# Altium PCB AVALON2_21b.PcbDoc (part 3 of 7)
Units mil, origin at the board's own origin, x right, y up, seen from the top; angles counter-clockwise.
Board outline 5250 x 3000 mil, 4 copper layers (Top Layer, Mid-Layer 1, Mid-Layer 2, Bottom Layer); 460 components, 80 nets, 2011 pads, 1492 vias.
Unrouted connection lines stored in the file: 78.
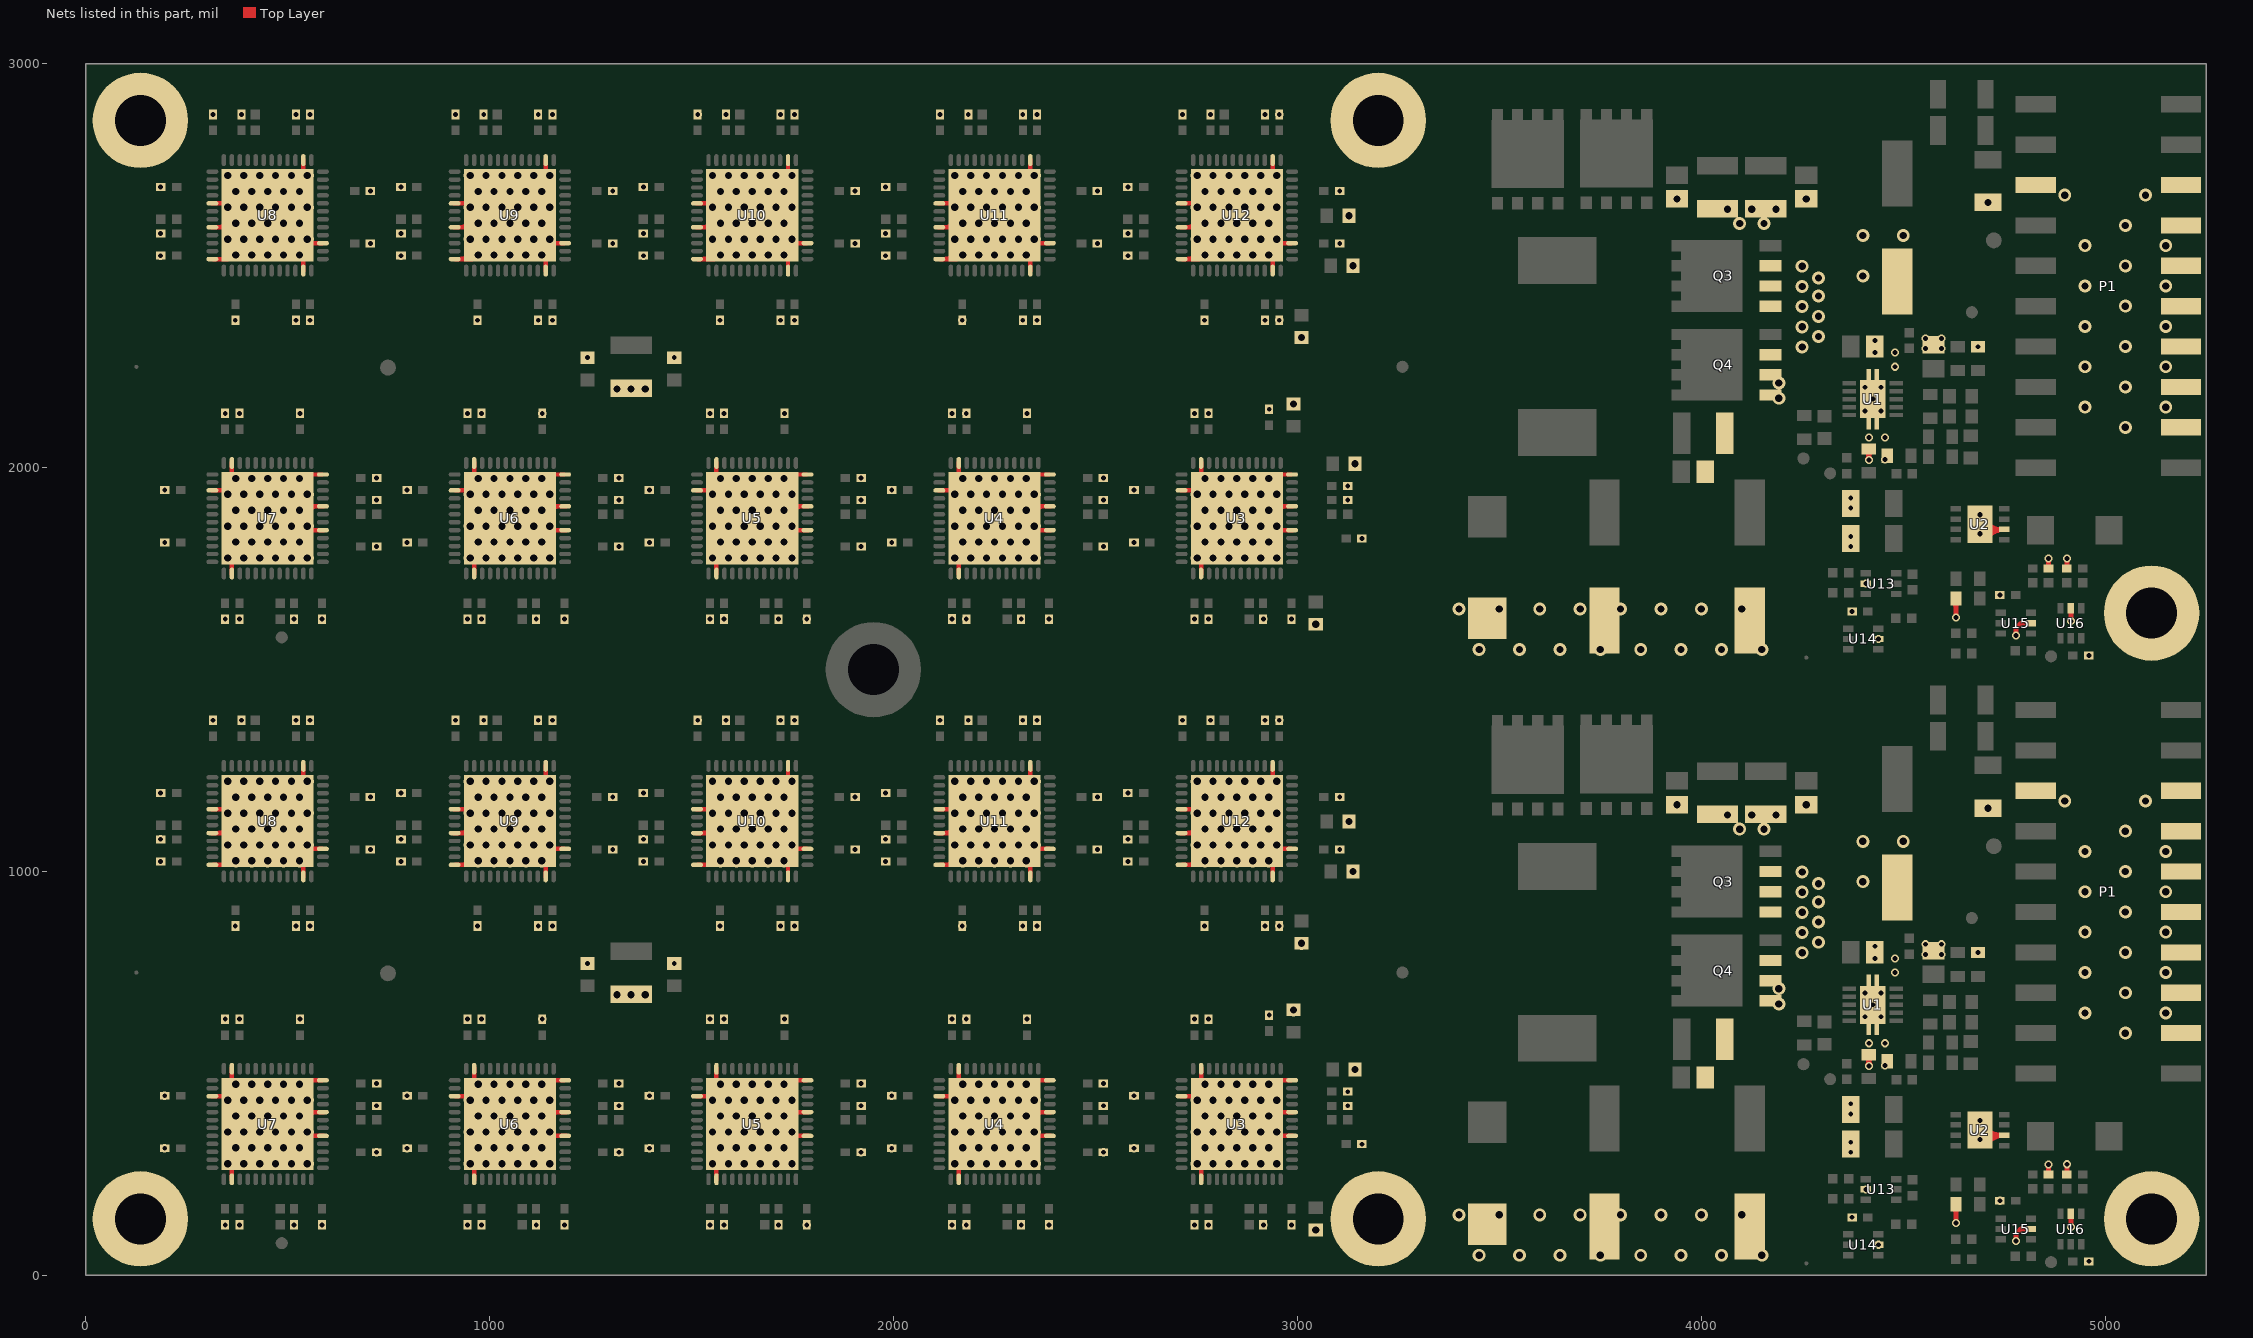
[diagram p5: the nets of this part, all layers, seen from the top]

## Via types
v1: diameter 32, hole 18, Top Layer to Bottom Layer, tented both sides, 846 vias
v2: diameter 20, hole 12, Top Layer to Bottom Layer, tented both sides, 458 vias
v3: diameter 20, hole 12, Top Layer to Bottom Layer, tented bottom, 154 vias
v4: diameter 50, hole 20, Top Layer to Bottom Layer, tented both sides, 16 vias
v5: diameter 23.62, hole 11.81, Top Layer to Bottom Layer, tented bottom, 10 vias
v6: diameter 25.98, hole 12.99, Top Layer to Bottom Layer, tented top, 4 vias
v7: diameter 20, hole 12, Top Layer to Bottom Layer, 4 vias

## Nets (pads, with @x,y where several pads share a name; then routed paths per layer and width w, separated by ;. In a path a pad name is that pad's centre, name@x,y a point inside that pad or via, vN(x,y) a via of type N, cw(c..) or ccw(c..) an arc to the next point about the centre after c; other vN are vias at no path point) (continued)
GND: C2.1 C3.1 C4.1 C5.2 C6.1 C7.1 C8.1 C11.2 C12.2 C13.2 C14.1 C15.1 C17.1 C18.2 C20.1 C21.2 C22.2 C23.2 C24.2 C25.2 C26.2 C27.1 C28.2 C29.1 C30.2 C31.1 C32.2 C33.1 C34.1 C35.1 C36.1 C37.1 C38.2 C39.1 C40.2 C41.1 C42.2 C43.1 C44.2 C45.1 C46.2 C47.2 C48.2 C49.2 C50.1 C51.1 C52.1 C53.1 C54.2 C55.2 C56.2 C57.2 C58.1 C59.1 C60.1 C61.1 C62.1 C63.1 C64.1 C65.1 C66.1 C67.1 C68.1 C69.1 C70.2 C71.2 C72.2 C73.2 C74.2 C75.1 C76.2 C77.1 C78.2 C79.1 C80.2 C81.1 C82.1 C83.1 C84.1 C85.1 C86.2 C87.1 C88.2 C89.1 C90.2 C91.1 C92.2 C93.1 C94.2 C95.2 C96.2 C97.2 C98.1 C99.1 C100.1 C101.1 C102.2 C103.2 C104.2 C105.2 C106.1 C107.1 C108.1 C109.1 C110.1 C111.1 C112.1 C113.1 C114.1 C115.1 C116.1 C117.1 C118.2 C119.2 C120.2 C121.1 C122.2 C123.1 C124.1 C125.1 C126.1 C127.1 C128.2 C129.1 C130.2 C131.1 C132.2 C133.2 C134.2 C135.1 C136.1 C137.2 C138.2 C139.2 C140.1 C141.1 C142.1 C143.1 C144.1 C145.1 C146.1 C147.1 C148.1 C149.1 C150.1 C151.1 C152.1 C153.1 C154.1 P1.3 P1.5 P1.7 P1.9 P1.11 P1.13 P1.15 P1.16 pad.0@135,140 pad.0@135,2860 pad.0@3200,140 pad.0@3200,2860 pad.0@5115,140 pad.0@5115,1640 Q3.1 Q3.2 Q3.3 Q4.1 Q4.2 Q4.3 R6.1 R7.1 R10.1 R32.2 U1.11 U2.6 U2.9 U3.5 U3.8 U3.12 U3.23 U3.27 U3.38 U3.49 U4.5 U4.8 U4.12 U4.23 U4.27 U4.38 U4.49 U5.5 U5.8 U5.12 U5.23 U5.27 U5.38 U5.49 U6.5 U6.8 U6.12 U6.23 U6.27 U6.38 U6.49 U7.5 U7.8 U7.12 U7.23 U7.27 U7.38 U7.49 U8.5 U8.8 U8.12 U8.23 U8.27 U8.38 U8.49 U9.5 U9.8 U9.12 U9.23 U9.27 U9.38 U9.49 U10.5 U10.8 U10.12 U10.23 U10.27 U10.38 U10.49 U11.5 U11.8 U11.12 U11.23 U11.27 U11.38 U11.49 U12.5 U12.8 U12.12 U12.23 U12.27 U12.38 U12.49 U13.2 U14.2 U15.2 U16.2 | length 19547.6
  Top Layer w11: U7.27@311.22,443.9 U7.49@361.42,443.9 ; U8.8@311.22,1095.47 U8.49@420.47,1095.47 ; U8.5@311.22,1154.53 420.47,1154.53 ccw(c420.47,1133.43) U8.49@400.76,1140.94 ; U7.27@311.22,1943.9 U7.49@361.42,1943.9 ; U8.8@311.22,2595.47 U8.49@420.47,2595.47 ; U8.5@311.22,2654.53 420.47,2654.53 ccw(c420.47,2633.43) U8.49@400.76,2640.94 ; U8.12@315.14,1016.73 U8.49@351.36,1016.73 ; U8.12@315.14,2516.73 U8.49@351.36,2516.73 ; U8.8@322.15,1095.47 ccw(c322.15,1154.43) U8.49@363.84,1112.74 ; U8.8@322.15,2595.47 ccw(c322.15,2654.43) U8.49@363.84,2612.74 ; U8.49@341.83,1154.53 cw(c341.83,1095.57) U8.49@383.52,1137.26 ; U8.49@341.83,2654.53 cw(c341.83,2595.57) U8.49@383.52,2637.26 ; U8.49@348.7,1095.47 ccw(c348.7,1127.87) U8.49@371.61,1104.96 ; U8.49@348.7,2595.47 ccw(c348.7,2627.87) U8.49@371.61,2604.96 ; U7.49@351.09,434.19 cw(c368.22,429.27) U7.49@363.61,446.48 ; U7.49@351.09,1934.19 cw(c368.22,1929.27) U7.49@363.61,1946.48 ; U8.49@351.22,1145.04 cw(c374.13,1122.13) U8.49@374.13,1154.53 ; U8.49@351.22,2645.04 cw(c374.13,2622.13) U8.49@374.13,2654.53 ; U7.49@353.97,443.9 ccw(c353.97,471.03) U7.49@373.16,451.84 ; U7.49@353.97,1943.9 ccw(c353.97,1971.03) U7.49@373.16,1951.84 ; U8.49@359,1137.26 cw(c400.69,1095.57) U8.49@400.69,1154.53 ; U8.49@359,2637.26 cw(c400.69,2595.57) U8.49@400.69,2654.53 ; U7.38@361.42,236.22 U7.49@361.42,286.42 ; U7.49@361.42,463.58 U7.23@361.42,513.78 ; U7.38@361.42,1736.22 U7.49@361.42,1786.42 ; U7.49@361.42,1963.58 U7.23@361.42,2013.78 ; U8.49@361.52,1095.47 ccw(c361.52,1154.43) U8.49@403.21,1112.74 ; U8.49@361.52,2595.47 ccw(c361.52,2654.43) U8.49@403.21,2612.74 ; U8.49@368.39,1154.53 cw(c368.39,1122.13) U8.49@391.3,1145.04 ; U8.49@368.39,2654.53 cw(c368.39,2622.13) U8.49@391.3,2645.04 ; U8.49@370.91,1104.96 ccw(c393.81,1127.87) U8.49@393.81,1095.47 ; U8.49@370.91,2604.96 ccw(c393.81,2627.87) U8.49@393.81,2595.47 ; U8.49@378.68,1112.74 ccw(c420.37,1154.43) U8.49@420.37,1095.47 ; U8.49@378.68,2612.74 ccw(c420.37,2654.43) U8.49@420.37,2595.47 ; U8.49@381.2,1154.53 cw(c381.2,1095.57) U8.49@422.89,1137.26 ; U8.49@381.2,2654.53 cw(c381.2,2595.57) U8.49@422.89,2637.26 ; U8.49@388.08,1095.47 ccw(c388.08,1127.87) U8.49@410.98,1104.96 ; U8.49@388.08,2595.47 ccw(c388.08,2627.87) U8.49@410.98,2604.96 ; U8.49@390.48,1144.86 cw(c404.51,1139.51) U8.49@404.51,1154.53 ; U8.49@390.48,2644.86 cw(c404.51,2639.51) U8.49@404.51,2654.53 ; U8.49@407.76,1154.53 cw(c407.76,1122.13) U8.49@430.67,1145.04 ; U8.49@407.76,2654.53 cw(c407.76,2622.13) U8.49@430.67,2645.04 ; U7.49@469.33,354.96 ccw(c492.24,377.87) U7.49@492.24,345.47 ; U7.49@469.33,1854.96 ccw(c492.24,1877.87) U7.49@492.24,1845.47 ; U7.49@477.11,362.74 ccw(c518.8,404.43) U7.49@518.8,345.47 ; U7.49@477.11,1862.74 ccw(c518.8,1904.43) U7.49@518.8,1845.47 ; U7.49@479.53,404.53 U7.8@588.78,404.53 ; U7.49@479.53,1904.53 U7.8@588.78,1904.53 ; U7.49@479.63,404.53 cw(c479.63,345.57) U7.49@521.32,387.26 ; U7.49@479.63,1904.53 cw(c479.63,1845.57) U7.49@521.32,1887.26 ; U7.49@489.02,395.04 cw(c511.93,372.13) U7.49@511.93,404.53 ; U7.49@489.02,1895.04 cw(c511.93,1872.13) U7.49@511.93,1904.53 ; U7.49@495.49,345.47 ccw(c495.49,360.49) U7.49@509.52,355.14 ; U7.49@495.49,1845.47 ccw(c495.49,1860.49) U7.49@509.52,1855.14 ; U7.49@496.79,387.26 cw(c538.48,345.57) U7.49@538.48,404.53 ; U7.49@496.79,1887.26 cw(c538.48,1845.57) U7.49@538.48,1904.53 ; U7.49@499.24,359.06 cw(c479.53,366.57) 479.53,345.47 U7.5@588.78,345.47 ; U7.49@499.24,1859.06 cw(c479.53,1866.57) 479.53,1845.47 U7.5@588.78,1845.47 ; U7.49@499.31,345.47 ccw(c499.31,404.43) U7.49@541,362.74 ; U7.49@499.31,1845.47 ccw(c499.31,1904.43) U7.49@541,1862.74 ; U7.49@506.19,404.53 cw(c506.19,372.13) U7.49@529.09,395.04 ; U7.49@506.19,1904.53 cw(c506.19,1872.13) U7.49@529.09,1895.04 ; U7.49@508.7,354.96 ccw(c531.61,377.87) U7.49@531.61,345.47 ; U7.49@508.7,1854.96 ccw(c531.61,1877.87) U7.49@531.61,1845.47 ; U7.49@516.48,362.74 ccw(c558.17,404.43) U7.49@558.17,345.47 ; U7.49@516.48,1862.74 ccw(c558.17,1904.43) U7.49@558.17,1845.47 ; U7.49@525.87,345.47 ccw(c525.87,377.87) U7.49@548.78,354.96 ; U7.49@525.87,1845.47 ccw(c525.87,1877.87) U7.49@548.78,1854.96 ; U8.49@526.84,1048.16 cw(c546.03,1028.97) U8.49@546.03,1056.1 ; U8.49@526.84,2548.16 cw(c546.03,2528.97) U8.49@546.03,2556.1 ; U7.49@528.39,395.04 cw(c551.3,372.13) U7.49@551.3,404.53 ; U7.49@528.39,1895.04 cw(c551.3,1872.13) U7.49@551.3,1904.53 ; U7.49@536.16,387.26 cw(c577.85,345.57) U7.8@577.85,404.53 ; U7.49@536.16,1887.26 cw(c577.85,1845.57) U7.8@577.85,1904.53 ; U8.49@536.39,1053.52 ccw(c531.78,1070.73) U8.49@548.91,1065.81 ; U8.49@536.39,2553.52 ccw(c531.78,2570.73) U8.49@548.91,2565.81 ; U8.23@538.58,986.22 U8.49@538.58,1036.42 ; U8.49@538.58,1213.58 U8.38@538.58,1263.78 ; U8.23@538.58,2486.22 U8.49@538.58,2536.42 ; U8.49@538.58,2713.58 U8.38@538.58,2763.78 ; U8.49@543.62,1056.1 U8.27@584.84,1056.1 ; U8.49@543.62,2556.1 U8.27@584.84,2556.1 ; U7.49@548.64,483.27 U7.12@584.86,483.27 ; U7.49@548.64,1983.27 U7.12@584.86,1983.27 ; U9.8@911.22,1095.47 U9.49@1020.47,1095.47 ; U9.5@911.22,1154.53 1020.47,1154.53 ccw(c1020.47,1133.43) U9.49@1000.76,1140.94 ; U9.8@911.22,2595.47 U9.49@1020.47,2595.47 ; U9.5@911.22,2654.53 1020.47,2654.53 ccw(c1020.47,2633.43) U9.49@1000.76,2640.94 ; U6.27@915.14,443.9 U6.49@951.36,443.9 ; U9.12@915.16,1016.73 U9.49@956.38,1016.73 ; U6.27@915.14,1943.9 U6.49@951.36,1943.9 ; U9.12@915.16,2516.73 U9.49@956.38,2516.73 ; U9.12@922.15,1016.73 ccw(c922.15,1075.69) U9.49@963.84,1034 ; U9.8@922.15,1095.47 ccw(c922.15,1154.43) U9.49@963.84,1112.74 ; U9.12@922.15,2516.73 ccw(c922.15,2575.69) U9.49@963.84,2534 ; U9.8@922.15,2595.47 ccw(c922.15,2654.43) U9.49@963.84,2612.74 ; U9.49@941.83,1154.53 cw(c941.83,1095.57) U9.49@983.52,1137.26 ; U9.49@941.83,2654.53 cw(c941.83,2595.57) U9.49@983.52,2637.26 ; U9.49@948.71,1016.73 ccw(c948.71,1049.13) U9.49@971.61,1026.22 ; U9.49@948.71,1095.47 ccw(c948.71,1127.87) U9.49@971.61,1104.96 ; U9.49@948.71,2516.73 ccw(c948.71,2549.13) U9.49@971.61,2526.22 ; U9.49@948.71,2595.47 ccw(c948.71,2627.87) U9.49@971.61,2604.96 ; U6.49@951.09,434.19 cw(c968.22,429.27) U6.49@963.61,446.48 ; U6.49@951.09,1934.19 cw(c968.22,1929.27) U6.49@963.61,1946.48 ; U9.49@951.22,1145.04 cw(c974.13,1122.13) U9.49@974.13,1154.53 ; U9.49@951.22,2645.04 cw(c974.13,2622.13) U9.49@974.13,2654.53 ; U6.49@953.97,443.9 ccw(c953.97,471.03) U6.49@973.16,451.84 ; U6.49@953.97,1943.9 ccw(c953.97,1971.03) U6.49@973.16,1951.84 ; U9.49@959,1137.26 cw(c1000.69,1095.57) U9.49@1000.69,1154.53 ; U9.49@959,2637.26 cw(c1000.69,2595.57) U9.49@1000.69,2654.53 ; U6.38@961.42,236.22 U6.49@961.42,286.42 ; U6.49@961.42,463.58 U6.23@961.42,513.78 ; U6.38@961.42,1736.22 U6.49@961.42,1786.42 ; U6.49@961.42,1963.58 U6.23@961.42,2013.78 ; U9.49@961.52,1095.47 ccw(c961.52,1154.43) U9.49@1003.21,1112.74 ; U9.49@961.52,2595.47 ccw(c961.52,2654.43) U9.49@1003.21,2612.74 ; U9.49@968.39,1154.53 cw(c968.39,1122.13) U9.49@991.3,1145.04 ; U9.49@968.39,2654.53 cw(c968.39,2622.13) U9.49@991.3,2645.04 ; U9.49@970.91,1104.96 ccw(c993.81,1127.87) U9.49@993.81,1095.47 ; U9.49@970.91,2604.96 ccw(c993.81,2627.87) U9.49@993.81,2595.47 ; U9.49@978.68,1112.74 ccw(c1020.37,1154.43) U9.49@1020.37,1095.47 ; U9.49@978.68,2612.74 ccw(c1020.37,2654.43) U9.49@1020.37,2595.47 ; U9.49@981.2,1154.53 cw(c981.2,1095.57) U9.49@1022.89,1137.26 ; U9.49@981.2,2654.53 cw(c981.2,2595.57) U9.49@1022.89,2637.26 ; U9.49@988.08,1095.47 ccw(c988.08,1127.87) U9.49@1010.98,1104.96 ; U9.49@988.08,2595.47 ccw(c988.08,2627.87) U9.49@1010.98,2604.96 ; U9.49@990.48,1144.86 cw(c1004.51,1139.52) U9.49@1004.51,1154.53 ; U9.49@990.48,2644.86 cw(c1004.51,2639.52) U9.49@1004.51,2654.53 ; U9.49@1007.76,1154.53 cw(c1007.76,1122.13) U9.49@1030.67,1145.04 ; U9.49@1007.76,2654.53 cw(c1007.76,2622.13) U9.49@1030.67,2645.04 ; U6.49@1069.33,354.96 ccw(c1092.24,377.87) U6.49@1092.24,345.47 ; U6.49@1069.33,1854.96 ccw(c1092.24,1877.87) U6.49@1092.24,1845.47 ; U6.49@1077.11,362.74 ccw(c1118.8,404.43) U6.49@1118.8,345.47 ; U6.49@1077.11,1862.74 ccw(c1118.8,1904.43) U6.49@1118.8,1845.47 ; U6.49@1079.53,404.53 U6.8@1188.78,404.53 ; U6.49@1079.53,1904.53 U6.8@1188.78,1904.53 ; U6.49@1079.63,404.53 cw(c1079.63,345.57) U6.49@1121.32,387.26 ; U6.49@1079.63,1904.53 cw(c1079.63,1845.57) U6.49@1121.32,1887.26 ; U6.49@1089.02,395.04 cw(c1111.93,372.13) U6.49@1111.93,404.53 ; U6.49@1089.02,1895.04 cw(c1111.93,1872.13) U6.49@1111.93,1904.53 ; U6.49@1095.49,345.47 ccw(c1095.49,360.49) U6.49@1109.52,355.14 ; U6.49@1095.49,1845.47 ccw(c1095.49,1860.49) U6.49@1109.52,1855.14 ; U6.49@1096.79,387.26 cw(c1138.48,345.57) U6.49@1138.48,404.53 ; U6.49@1096.79,1887.26 cw(c1138.48,1845.57) U6.49@1138.48,1904.53 ; U6.49@1099.24,359.06 cw(c1079.53,366.57) 1079.53,345.47 U6.5@1188.78,345.47 ; U6.49@1099.24,1859.06 cw(c1079.53,1866.57) 1079.53,1845.47 U6.5@1188.78,1845.47 ; U6.49@1099.31,345.47 ccw(c1099.31,404.43) U6.49@1141,362.74 ; U6.49@1099.31,1845.47 ccw(c1099.31,1904.43) U6.49@1141,1862.74 ; U6.49@1106.19,404.53 cw(c1106.19,372.13) U6.49@1129.09,395.04 ; U6.49@1106.19,1904.53 cw(c1106.19,1872.13) U6.49@1129.09,1895.04 ; U6.49@1108.7,354.96 ccw(c1131.61,377.87) U6.49@1131.61,345.47 ; U6.49@1108.7,1854.96 ccw(c1131.61,1877.87) U6.49@1131.61,1845.47 ; U6.49@1116.48,362.74 ccw(c1158.17,404.43) U6.49@1158.17,345.47 ; U6.49@1116.48,1862.74 ccw(c1158.17,1904.43) U6.49@1158.17,1845.47 ; U6.49@1125.87,345.47 ccw(c1125.87,377.87) U6.49@1148.78,354.96 ; U6.49@1125.87,1845.47 ccw(c1125.87,1877.87) U6.49@1148.78,1854.96 ; U9.49@1126.84,1048.16 cw(c1146.03,1028.97) U9.49@1146.03,1056.1 ; U9.49@1126.84,2548.16 cw(c1146.03,2528.97) U9.49@1146.03,2556.1 ; U6.49@1128.39,395.04 cw(c1151.3,372.13) U6.49@1151.3,404.53 ; U6.49@1128.39,1895.04 cw(c1151.3,1872.13) U6.49@1151.3,1904.53 ; U6.49@1136.16,387.26 cw(c1177.85,345.57) U6.8@1177.85,404.53 ; U6.49@1136.16,1887.26 cw(c1177.85,1845.57) U6.8@1177.85,1904.53 ; U9.49@1136.39,1053.52 ccw(c1131.78,1070.73) U9.49@1148.91,1065.81 ; U9.49@1136.39,2553.52 ccw(c1131.78,2570.73) U9.49@1148.91,2565.81 ; U9.23@1138.58,986.22 U9.49@1138.58,1036.42 ; U9.49@1138.58,1213.58 U9.38@1138.58,1263.78 ; U9.23@1138.58,2486.22 U9.49@1138.58,2536.42 ; U9.49@1138.58,2713.58 U9.38@1138.58,2763.78 ; U9.49@1143.62,1056.1 U9.27@1184.84,1056.1 ; U9.49@1143.62,2556.1 U9.27@1184.84,2556.1 ; U6.49@1148.64,483.27 U6.12@1184.86,483.27 ; U6.49@1148.64,1983.27 U6.12@1184.86,1983.27 ; U5.27@1511.22,443.9 U5.49@1547,443.9 ; U10.8@1511.22,1095.47 U10.49@1620.47,1095.47 ; U10.5@1511.22,1154.53 1620.47,1154.53 ccw(c1620.47,1133.43) U10.49@1600.76,1140.94 ; U5.27@1511.22,1943.9 U5.49@1547,1943.9 ; U10.8@1511.22,2595.47 U10.49@1620.47,2595.47 ; U10.5@1511.22,2654.53 1620.47,2654.53 ccw(c1620.47,2633.43) U10.49@1600.76,2640.94 ; U10.12@1515.16,1016.73 U10.49@1556.38,1016.73 ; U10.12@1515.16,2516.73 U10.49@1556.38,2516.73 ; U10.12@1522.15,1016.73 ccw(c1522.15,1075.69) U10.49@1563.84,1034 ; U10.8@1522.15,1095.47 ccw(c1522.15,1154.43) U10.49@1563.84,1112.74 ; U10.12@1522.15,2516.73 ccw(c1522.15,2575.69) U10.49@1563.84,2534 ; U10.8@1522.15,2595.47 ccw(c1522.15,2654.43) U10.49@1563.84,2612.74 ; U10.49@1541.83,1154.53 cw(c1541.83,1095.57) U10.49@1583.52,1137.26 ; U10.49@1541.83,2654.53 cw(c1541.83,2595.57) U10.49@1583.52,2637.26 ; U10.49@1548.71,1016.73 ccw(c1548.71,1049.13) U10.49@1571.61,1026.22 ; U10.49@1548.71,1095.47 ccw(c1548.71,1127.87) U10.49@1571.61,1104.96 ; U10.49@1548.71,2516.73 ccw(c1548.71,2549.13) U10.49@1571.61,2526.22 ; U10.49@1548.71,2595.47 ccw(c1548.71,2627.87) U10.49@1571.61,2604.96 ; U10.49@1551.22,1145.04 cw(c1574.13,1122.13) U10.49@1574.13,1154.53 ; U10.49@1551.22,2645.04 cw(c1574.13,2622.13) U10.49@1574.13,2654.53 ; U10.49@1559,1137.26 cw(c1600.69,1095.57) U10.49@1600.69,1154.53 ; U10.49@1559,2637.26 cw(c1600.69,2595.57) U10.49@1600.69,2654.53 ; U5.38@1561.42,236.22 U5.49@1561.42,286.42 ; U5.49@1561.42,463.58 U5.23@1561.42,513.78 ; U5.38@1561.42,1736.22 U5.49@1561.42,1786.42 ; U5.49@1561.42,1963.58 U5.23@1561.42,2013.78 ; U10.49@1561.52,1095.47 ccw(c1561.52,1154.43) U10.49@1603.21,1112.74 ; U10.49@1561.52,2595.47 ccw(c1561.52,2654.43) U10.49@1603.21,2612.74 ; U10.49@1568.39,1154.53 cw(c1568.39,1122.13) U10.49@1591.3,1145.04 ; U10.49@1568.39,2654.53 cw(c1568.39,2622.13) U10.49@1591.3,2645.04 ; U10.49@1570.91,1104.96 ccw(c1593.81,1127.87) U10.49@1593.81,1095.47 ; U10.49@1570.91,2604.96 ccw(c1593.81,2627.87) U10.49@1593.81,2595.47 ; U10.49@1578.68,1112.74 ccw(c1620.37,1154.43) U10.49@1620.37,1095.47 ; U10.49@1578.68,2612.74 ccw(c1620.37,2654.43) U10.49@1620.37,2595.47 ; U10.49@1581.2,1154.53 cw(c1581.2,1095.57) U10.49@1622.89,1137.26 ; U10.49@1581.2,2654.53 cw(c1581.2,2595.57) U10.49@1622.89,2637.26 ; U10.49@1588.08,1095.47 ccw(c1588.08,1127.87) U10.49@1610.98,1104.96 ; U10.49@1588.08,2595.47 ccw(c1588.08,2627.87) U10.49@1610.98,2604.96 ; U10.49@1590.48,1144.86 cw(c1604.51,1139.52) U10.49@1604.51,1154.53 ; U10.49@1590.48,2644.86 cw(c1604.51,2639.52) U10.49@1604.51,2654.53 ; U10.49@1607.76,1154.53 cw(c1607.76,1122.13) U10.49@1630.67,1145.04 ; U10.49@1607.76,2654.53 cw(c1607.76,2622.13) U10.49@1630.67,2645.04 ; U5.49@1669.33,354.96 ccw(c1692.24,377.87) U5.49@1692.24,345.47 ; U5.49@1669.33,1854.96 ccw(c1692.24,1877.87) U5.49@1692.24,1845.47 ; U5.49@1677.11,362.74 ccw(c1718.8,404.43) U5.49@1718.8,345.47 ; U5.49@1677.11,1862.74 ccw(c1718.8,1904.43) U5.49@1718.8,1845.47 ; U5.49@1679.53,404.53 U5.8@1788.78,404.53 ; U5.49@1679.53,1904.53 U5.8@1788.78,1904.53 ; U5.49@1679.63,404.53 cw(c1679.63,345.57) U5.49@1721.32,387.26 ; U5.49@1679.63,1904.53 cw(c1679.63,1845.57) U5.49@1721.32,1887.26 ; U5.49@1689.02,395.04 cw(c1711.93,372.13) U5.49@1711.93,404.53 ; U5.49@1689.02,1895.04 cw(c1711.93,1872.13) U5.49@1711.93,1904.53 ; U5.49@1695.49,345.47 ccw(c1695.49,360.49) U5.49@1709.52,355.14 ; U5.49@1695.49,1845.47 ccw(c1695.49,1860.49) U5.49@1709.52,1855.14 ; U5.49@1696.79,387.26 cw(c1738.48,345.57) U5.49@1738.48,404.53 ; U5.49@1696.79,1887.26 cw(c1738.48,1845.57) U5.49@1738.48,1904.53 ; U5.49@1699.24,359.06 cw(c1679.53,366.57) 1679.53,345.47 U5.5@1788.78,345.47 ; U5.49@1699.24,1859.06 cw(c1679.53,1866.57) 1679.53,1845.47 U5.5@1788.78,1845.47 ; U5.49@1699.31,345.47 ccw(c1699.31,404.43) U5.49@1741,362.74 ; U5.49@1699.31,1845.47 ccw(c1699.31,1904.43) U5.49@1741,1862.74 ; U5.49@1706.19,404.53 cw(c1706.19,372.13) U5.49@1729.09,395.04 ; U5.49@1706.19,1904.53 cw(c1706.19,1872.13) U5.49@1729.09,1895.04 ; U5.49@1708.7,354.96 ccw(c1731.61,377.87) U5.49@1731.61,345.47 ; U5.49@1708.7,1854.96 ccw(c1731.61,1877.87) U5.49@1731.61,1845.47 ; U5.49@1716.48,362.74 ccw(c1758.17,404.43) U5.49@1758.17,345.47 ; U5.49@1716.48,1862.74 ccw(c1758.17,1904.43) U5.49@1758.17,1845.47 ; U5.49@1725.87,345.47 ccw(c1725.87,377.87) U5.49@1748.78,354.96 ; U5.49@1725.87,1845.47 ccw(c1725.87,1877.87) U5.49@1748.78,1854.96 ; U10.49@1726.84,1048.16 cw(c1746.03,1028.97) U10.49@1746.03,1056.1 ; U10.49@1726.84,2548.16 cw(c1746.03,2528.97) U10.49@1746.03,2556.1 ; U5.49@1728.39,395.04 cw(c1751.3,372.13) U5.49@1751.3,404.53 ; U5.49@1728.39,1895.04 cw(c1751.3,1872.13) U5.49@1751.3,1904.53 ; U5.49@1736.16,387.26 cw(c1777.85,345.57) U5.8@1777.85,404.53 ; U5.49@1736.16,1887.26 cw(c1777.85,1845.57) U5.8@1777.85,1904.53 ; U10.49@1736.39,1053.52 ccw(c1731.78,1070.73) U10.49@1748.91,1065.81 ; U10.49@1736.39,2553.52 ccw(c1731.78,2570.73) U10.49@1748.91,2565.81 ; U10.23@1738.58,986.22 U10.49@1738.58,1036.42 ; U10.49@1738.58,1213.58 U10.38@1738.58,1263.78 ; U10.23@1738.58,2486.22 U10.49@1738.58,2536.42 ; U10.49@1738.58,2713.58 U10.38@1738.58,2763.78 ; U10.49@1743.62,1056.1 U10.27@1784.84,1056.1 ; U10.49@1743.62,2556.1 U10.27@1784.84,2556.1 ; U5.49@1748.64,483.27 U5.12@1784.86,483.27 ; U5.49@1748.64,1983.27 U5.12@1784.86,1983.27 ; U4.27@2111.22,443.9 2141.73,443.9 v1(2151.57,434.06) ; U11.8@2111.22,1095.47 U11.49@2220.47,1095.47 ; U11.5@2111.22,1154.53 2220.47,1154.53 ccw(c2220.47,1133.43) U11.49@2200.76,1140.94 ; U4.27@2111.22,1943.9 2141.73,1943.9 v1(2151.57,1934.06) ; U11.8@2111.22,2595.47 U11.49@2220.47,2595.47 ; U11.5@2111.22,2654.53 2220.47,2654.53 ccw(c2220.47,2633.43) U11.49@2200.76,2640.94 ; U11.12@2115.16,1016.73 U11.49@2156.38,1016.73 ; U11.12@2115.16,2516.73 U11.49@2156.38,2516.73 ; U11.12@2122.15,1016.73 ccw(c2122.15,1075.69) U11.49@2163.84,1034 ; U11.8@2122.15,1095.47 ccw(c2122.15,1154.43) U11.49@2163.84,1112.74 ; U11.12@2122.15,2516.73 ccw(c2122.15,2575.69) U11.49@2163.84,2534 ; U11.8@2122.15,2595.47 ccw(c2122.15,2654.43) U11.49@2163.84,2612.74 ; U11.49@2141.83,1154.53 cw(c2141.83,1095.57) U11.49@2183.52,1137.26 ; U11.49@2141.83,2654.53 cw(c2141.83,2595.57) U11.49@2183.52,2637.26 ; U11.49@2148.71,1016.73 ccw(c2148.71,1049.13) U11.49@2171.61,1026.22 ; U11.49@2148.71,1095.47 ccw(c2148.71,1127.87) U11.49@2171.61,1104.96 ; U11.49@2148.71,2516.73 ccw(c2148.71,2549.13) U11.49@2171.61,2526.22 ; U11.49@2148.71,2595.47 ccw(c2148.71,2627.87) U11.49@2171.61,2604.96 ; U11.49@2151.22,1145.04 cw(c2174.13,1122.13) U11.49@2174.13,1154.53 ; U11.49@2151.22,2645.04 cw(c2174.13,2622.13) U11.49@2174.13,2654.53 ; U11.49@2159,1137.26 cw(c2200.69,1095.57) U11.49@2200.69,1154.53 ; U11.49@2159,2637.26 cw(c2200.69,2595.57) U11.49@2200.69,2654.53 ; U4.38@2161.42,236.22 U4.49@2161.42,286.42 ; U4.49@2161.42,463.58 U4.23@2161.42,513.78 ; U4.38@2161.42,1736.22 U4.49@2161.42,1786.42 ; U4.49@2161.42,1963.58 U4.23@2161.42,2013.78 ; U11.49@2161.52,1095.47 ccw(c2161.52,1154.43) U11.49@2203.21,1112.74 ; U11.49@2161.52,2595.47 ccw(c2161.52,2654.43) U11.49@2203.21,2612.74 ; U11.49@2168.39,1154.53 cw(c2168.39,1122.13) U11.49@2191.3,1145.04 ; U11.49@2168.39,2654.53 cw(c2168.39,2622.13) U11.49@2191.3,2645.04 ; U11.49@2170.91,1104.96 ccw(c2193.81,1127.87) U11.49@2193.81,1095.47 ; U11.49@2170.91,2604.96 ccw(c2193.81,2627.87) U11.49@2193.81,2595.47 ; U11.49@2178.68,1112.74 ccw(c2220.37,1154.43) U11.49@2220.37,1095.47 ; U11.49@2178.68,2612.74 ccw(c2220.37,2654.43) U11.49@2220.37,2595.47 ; U11.49@2181.2,1154.53 cw(c2181.2,1095.57) U11.49@2222.89,1137.26 ; U11.49@2181.2,2654.53 cw(c2181.2,2595.57) U11.49@2222.89,2637.26 ; U11.49@2188.08,1095.47 ccw(c2188.08,1127.87) U11.49@2210.98,1104.96 ; U11.49@2188.08,2595.47 ccw(c2188.08,2627.87) U11.49@2210.98,2604.96 ; U11.49@2190.48,1144.86 cw(c2204.51,1139.52) U11.49@2204.51,1154.53 ; U11.49@2190.48,2644.86 cw(c2204.51,2639.52) U11.49@2204.51,2654.53 ; U11.49@2207.76,1154.53 cw(c2207.76,1122.13) U11.49@2230.67,1145.04 ; U11.49@2207.76,2654.53 cw(c2207.76,2622.13) U11.49@2230.67,2645.04 ; U4.49@2269.33,354.96 ccw(c2292.24,377.87) U4.49@2292.24,345.47 ; U4.49@2269.33,1854.96 ccw(c2292.24,1877.87) U4.49@2292.24,1845.47 ; U4.49@2277.11,362.74 ccw(c2318.8,404.43) U4.49@2318.8,345.47 ; U4.49@2277.11,1862.74 ccw(c2318.8,1904.43) U4.49@2318.8,1845.47 ; U4.49@2279.53,404.53 U4.8@2388.78,404.53 ; U4.49@2279.53,1904.53 U4.8@2388.78,1904.53 ; U4.49@2279.63,404.53 cw(c2279.63,345.57) U4.49@2321.32,387.26 ; U4.49@2279.63,1904.53 cw(c2279.63,1845.57) U4.49@2321.32,1887.26 ; U4.49@2289.02,395.04 cw(c2311.93,372.13) U4.49@2311.93,404.53 ; U4.49@2289.02,1895.04 cw(c2311.93,1872.13) U4.49@2311.93,1904.53 ; U4.49@2295.49,345.47 ccw(c2295.49,360.49) U4.49@2309.52,355.14 ; U4.49@2295.49,1845.47 ccw(c2295.49,1860.49) U4.49@2309.52,1855.14 ; U4.49@2296.79,387.26 cw(c2338.48,345.57) U4.49@2338.48,404.53 ; U4.49@2296.79,1887.26 cw(c2338.48,1845.57) U4.49@2338.48,1904.53 ; U4.49@2299.24,359.06 cw(c2279.53,366.57) 2279.53,345.47 U4.5@2388.78,345.47 ; U4.49@2299.24,1859.06 cw(c2279.53,1866.57) 2279.53,1845.47 U4.5@2388.78,1845.47 ; U4.49@2299.31,345.47 ccw(c2299.31,404.43) U4.49@2341,362.74 ; U4.49@2299.31,1845.47 ccw(c2299.31,1904.43) U4.49@2341,1862.74 ; U4.49@2306.19,404.53 cw(c2306.19,372.13) U4.49@2329.09,395.04 ; U4.49@2306.19,1904.53 cw(c2306.19,1872.13) U4.49@2329.09,1895.04 ; U4.49@2308.7,354.96 ccw(c2331.61,377.87) U4.49@2331.61,345.47 ; U4.49@2308.7,1854.96 ccw(c2331.61,1877.87) U4.49@2331.61,1845.47 ; U4.49@2316.48,362.74 ccw(c2358.17,404.43) U4.49@2358.17,345.47 ; U4.49@2316.48,1862.74 ccw(c2358.17,1904.43) U4.49@2358.17,1845.47 ; U4.49@2325.87,345.47 ccw(c2325.87,377.87) U4.49@2348.78,354.96 ; U4.49@2325.87,1845.47 ccw(c2325.87,1877.87) U4.49@2348.78,1854.96 